# Allegro board hdk2_0-hmd-2-pvt-l8-0526p1530.brd (continued)
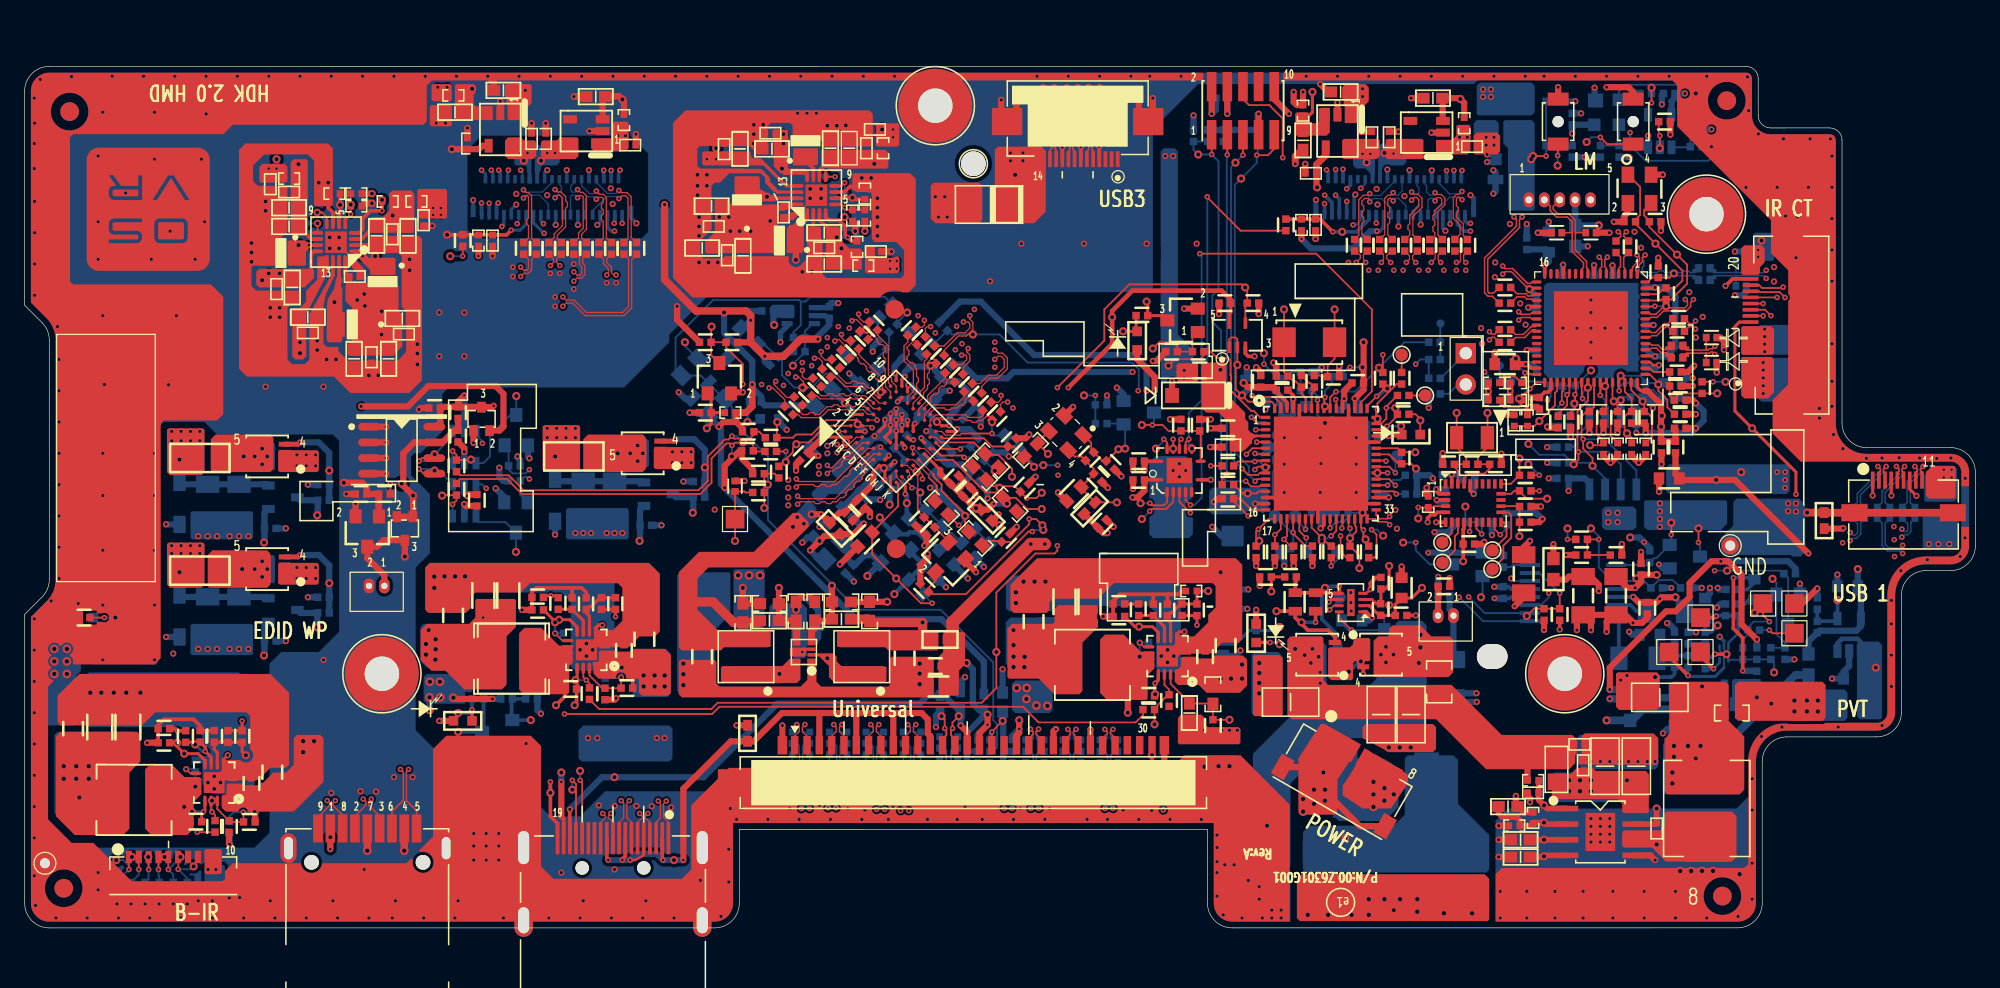
[diagram p0: board, top side]
## Routing (per net, layer and track width the routed paths; a pad name or vN(x,y) marks a point on that pad's centre or on a via; arc(x,y) is an arc through that point) (continued)
USB_SSRXM_UP_A: length 3
  TOP w0.127: J1.26 87.5,15.41 87.87,15.78 87.87,15.92 v2(87.67,16.12)
  BOTTOM w0.127: v2(87.67,16.12) 87.87,15.92 87.87,15.41 87.72,15.26 R617.1
USB_SSRXM_UP_B: length 67.2
  TOP w0.127: v2(31.16,12.87) 30.98,12.69 30.98,10.33 31.81,9.51 J4.5
  L6_IN3 w0.117: v2(87.28,12.87) 87.76,12.87 87.87,12.99 87.87,13.51 87.37,14.01 55.4,14.01 55.29,13.9 55.29,13.42 54.97,13.1 54.44,13.1 54.13,13.42 54.13,13.9 54.01,14.01 39.27,14.01 39.13,13.88 38.78,13.88 38.65,14.01 38.29,14.01 38.16,13.88 37.81,13.88 37.67,14.01 37.32,14.01 37.18,13.88 36.83,13.88 36.69,14.01 36.34,14.01 36.21,13.88 35.86,13.88 35.72,14.01 35.37,14.01 35.23,13.88 34.88,13.88 34.74,14.01 34.39,14.01 34.26,13.88 33.91,13.88 33.77,14.01 33.42,14.01 33.28,13.88 32.93,13.88 32.79,14.01 32.44,14.01 32.31,13.88 31.95,13.88 31.82,14.01 31.47,14.01 30.98,13.53 30.98,13.05 v2(31.16,12.87)
  BOTTOM w0.127: R634.1 v2(87.28,12.87)
USB_SSRXP_DN1: length 46.9
  TOP w0.127: U46.6 128.37,53.53 128.25,53.65 128.25,54.25 v2(128.45,54.45)
  L6_IN3 w0.117: v2(128.45,54.45) 128.27,54.64 128.27,54.81 128.42,54.96 129.25,54.96 131.34,52.88 135.63,52.88 140.38,48.13 140.38,40.05 144.18,36.25 144.18,33.53 147.11,30.6 152.21,30.6 v2(152.42,30.4)
  BOTTOM w0.127: v2(152.42,30.4) 152.21,30.6 151.18,30.6 150.75,31.03 150.75,32.86 R733.1
USB_SSRXP_DN1_R: length 5.4
  TOP w0.127: J101.5 151.99,36.95 152.12,37.08 152.12,37.25 v2(151.91,37.46)
  BOTTOM w0.127: R733.2 150.75,34.54 150.75,35.46 152.12,36.83 152.12,37.25 v2(151.91,37.46)
USB_SSRXP_DN3: length 55.5
  TOP w0.127: v2(121.26,50.01) 121.46,49.8 122.2,49.8 122.33,49.93 U46.22
  L6_IN3 w0.117: v2(121.26,50.01) 121.08,49.83 120.89,49.83 120.77,49.94 120.77,51.04 120.91,51.18 120.91,51.53 120.77,51.66 120.77,52.01 120.91,52.15 120.91,52.5 120.77,52.64 120.77,52.99 120.91,53.13 120.91,53.48 120.77,53.61 120.77,53.97 120.91,54.1 120.91,54.45 120.77,54.59 120.77,55.42 120.01,56.18 120.01,64.41 119.05,65.37 94.03,65.37 93.57,65.83 85.82,65.83 85.14,66.52 85.14,67.3 v2(85.32,67.48)
  BOTTOM w0.127: R739.1 85.11,66.74 85.11,67.28 v2(85.32,67.48)
USB_SSRXP_DN3_R: length 3.4
  TOP w0.127: J22.8 85.22,63.04 85.09,63.17 85.09,63.72 v2(85.29,63.92)
  BOTTOM w0.127: R739.2 85.11,65.17 85.11,64.1 v2(85.29,63.92)
USB_SSRXP_UP: length 99.8
  TOP w0.127: v2(135.44,51.01) 135.21,50.78 135.21,50.44 134.85,50.08 133.02,50.08 132.49,49.56 131.97,49.56 131.84,49.43 U46.58
  L6_IN3 w0.117: v2(88.34,9.7) 88.13,9.9 88.13,10.07 88.27,10.2 100.56,10.2 105.59,15.23 128.98,15.23 135.25,21.51 137.66,21.51 141.83,25.67 141.83,37.61 141.04,38.4 140.59,38.4 139.75,39.24 139.75,47.67 136.9,50.51 135.37,50.51 135.23,50.66 135.23,50.8 v2(135.44,51.01)
  BOTTOM w0.127: R618.2 88.46,14.34 88.13,14.01 88.13,9.9 v2(88.34,9.7)
USB_SSRXP_UP_A: length 3
  TOP w0.127: J1.27 88.5,15.42 88.12,15.79 88.12,15.92 v2(88.33,16.12)
  BOTTOM w0.127: R618.1 88.26,15.26 88.13,15.39 88.13,15.92 v2(88.33,16.12)
USB_SSRXP_UP_B: length 67.2
  TOP w0.127: v2(30.5,12.87) 30.73,12.64 30.73,10.36 29.81,9.44 J4.6
  L6_IN3 w0.117: v2(88.72,12.87) 88.24,12.87 88.13,12.99 88.13,13.61 87.47,14.27 55.3,14.27 55.03,14 55.03,13.53 54.86,13.36 54.55,13.36 54.38,13.53 54.38,14 54.12,14.27 31.36,14.27 30.73,13.64 30.73,13.1 v2(30.5,12.87)
  BOTTOM w0.127: R635.1 v2(88.72,12.87)
USB_SSTXM_DN1: length 1.9
  TOP w0.127: C612.2 129.52,54.45 129.52,53.68 129.37,53.53 U46.4
USB_SSTXM_DN3: length 2.4
  TOP w0.127: C609.2 121.12,51.22 121.74,51.22 121.92,51.05 122.35,51.05 122.46,50.93 U46.20
USB_SSTXM_UP: length 2.7
  TOP w0.127: C604.1 133.37,49.06 133.08,49.06 132.35,48.33 132.02,48.33 131.91,48.43 U46.56
USB_SSTXP_DN1: length 1.9
  TOP w0.127: U46.3 129.87,53.53 129.78,53.63 129.78,54.42 C614.2
USB_SSTXP_DN3: length 2.4
  TOP w0.127: U46.19 122.46,51.43 122.33,51.3 122.02,51.3 121.84,51.48 121.12,51.48 C610.2
USB_SSTXP_UP: length 2.7
  TOP w0.127: U46.55 131.91,47.93 132.05,48.08 132.46,48.08 133.18,48.8 133.4,48.8 C605.1
USB_SW_ENN: length 10.7
  TOP w0.152: v2(106.42,43.53) 105.95,43.06 U12.55
  BOTTOM w0.152: R553.1 111.99,47.54 v1(109.91,45.47) 107.97,43.53 v2(106.42,43.53)
USB_SW_OCN: length 41.2
  TOP w0.152: U12.27 106.45,32.23 v2(106.04,31.82)
  L4_IN2 w0.152: v2(118.49,45.13) 119,44.62 123.01,44.62 124.34,43.29 124.34,42.35 125.03,41.67 125.03,36.5 123.5,34.97 122.68,34.97 120.27,37.38 109.47,37.38 106.42,34.33 106.42,32.2 v2(106.04,31.82)
  BOTTOM w0.152: v2(118.49,45.13) 118.78,44.84 R554.1 ; v1(105.28,31.41) v2(106.04,31.82)
USBDN_DM1: length 8.5
  TOP w0.127: v2(130.86,54.62) 131.06,54.42 131.06,54.2 130.5,53.64 130.5,53.41 130.37,53.28 U46.2
  BOTTOM w0.127: R562.2 135.85,52.64 L22.4 135.55,52.95 131.39,52.95 131.04,53.3 131.04,54.45 v2(130.86,54.62)
USBDN_DM1_CON: length 38.1
  L6_IN3 w0.117: v2(141.35,52.72) 141.53,52.9 142.46,52.9 143.89,51.48 143.89,50.59 143.12,49.82 143.12,49.05 143.39,48.77 143.64,48.77 143.76,48.65 143.76,48.24 143.64,48.12 143.38,48.12 143.12,47.86 143.12,47.23 143.38,46.96 143.64,46.96 143.76,46.85 143.76,46.43 143.64,46.31 143.38,46.31 143.12,46.05 143.12,45.42 143.38,45.15 143.64,45.15 143.76,45.04 143.76,44.62 143.64,44.5 143.38,44.5 143.12,44.24 143.12,43.61 143.38,43.35 143.64,43.35 143.76,43.23 143.76,39.44 149.3,33.9 149.3,33.9 151.28,31.92 152.15,31.92 v2(152.35,31.72)
  BOTTOM w0.127: v2(152.35,31.72) 152.56,31.92 152.83,31.92 153.08,32.17 153.08,32.91 R730.1 ; 138.88,52.95 138.89,52.93 ESD19.1 ; 138.88,52.95 137.1,52.95 L22.3 136.79,52.64 R562.1 ; 138.88,52.95 141.13,52.95 v2(141.35,52.72)
USBDN_DM1_CON_R: length 5.1
  TOP w0.127: J101.9 153.99,37 153.87,37.12 153.87,37.25 v2(154.07,37.46)
  BOTTOM w0.127: v2(154.07,37.46) 153.87,37.25 153.87,36.95 153.03,36.11 153.03,34.54 R730.2
USBDN_DM2: length 8.7
  TOP w0.127: U46.10 126.37,53.48 126.51,53.62 126.51,53.99 125.6,54.91 125.6,56.43 ; 125.6,56.43 ESD16.1 ; 125.6,56.43 125.6,57.32 125.22,57.7 124.33,57.7 123.81,58.23 123.81,58.63 J10.2
USBDN_DM3: length 55.4
  TOP w0.127: v2(119.96,53.07) 120.16,53.27 120.66,53.27 121.86,52.06 122.2,52.06 122.33,51.93 U46.18
  L6_IN3 w0.117: v2(82.83,67.48) 83.03,67.28 83.03,66.64 84.98,64.69 88.21,64.69 88.36,64.53 88.36,64.07 88.71,63.72 89.21,63.72 89.56,64.07 89.56,64.5 89.75,64.69 90.02,64.69 90.21,64.5 90.21,64.01 90.55,63.67 91.03,63.67 91.37,64.01 91.37,64.5 91.56,64.69 91.83,64.69 92.02,64.5 92.02,64.11 92.29,63.85 115.79,63.85 118.51,61.13 118.51,53.81 119.02,53.31 119.72,53.31 v2(119.96,53.07)
  BOTTOM w0.127: v2(82.83,67.48) 83.03,67.28 83.03,66.74 R736.1
USBDN_DM3_R: length 3.6
  TOP w0.127: v2(83.16,63.98) 83.36,63.78 83.36,63.3 83.22,63.16 J22.12
  BOTTOM w0.127: R736.2 83.03,65.17 83.03,64.78 83.36,64.45 83.36,64.19 v2(83.16,63.98)
USBDN_DP1: length 8.5
  TOP w0.127: v2(131.52,54.62) 131.31,54.42 131.31,54.09 130.76,53.54 130.76,53.37 130.87,53.25 U46.1
  BOTTOM w0.127: R563.2 135.85,53.5 L22.1 135.55,53.2 135.17,53.2 135.04,53.33 134.66,53.33 134.53,53.2 134.15,53.2 134.03,53.33 133.64,53.33 133.52,53.2 133.14,53.2 133.01,53.33 132.63,53.33 132.5,53.2 131.5,53.2 131.29,53.41 131.29,53.61 131.42,53.74 131.42,54.12 131.29,54.25 131.29,54.4 v2(131.52,54.62)
USBDN_DP1_CON: length 38.1
  L6_IN3 w0.117: v2(152.35,32.38) 152.15,32.17 151.38,32.17 151.13,32.42 151.13,32.62 150.88,32.86 150.69,32.86 150.44,33.11 150.44,33.31 150.19,33.55 150,33.55 144.01,39.54 144.01,43.33 143.75,43.6 143.49,43.6 143.37,43.72 143.37,44.13 143.49,44.25 143.75,44.25 144.01,44.52 144.01,45.14 143.75,45.41 143.49,45.41 143.37,45.53 143.37,45.94 143.49,46.06 143.75,46.06 144.01,46.32 144.01,46.95 143.75,47.22 143.49,47.22 143.37,47.33 143.37,47.75 143.49,47.87 143.75,47.87 144.01,48.13 144.01,48.76 143.75,49.03 143.5,49.03 143.37,49.15 143.37,49.71 144.14,50.48 144.14,51.58 142.57,53.16 141.58,53.16 v2(141.35,53.38)
  BOTTOM w0.127: 138.89,53.2 137.1,53.2 L22.2 136.79,53.5 R563.1 ; 138.89,53.2 141.16,53.2 v2(141.35,53.38) ; 138.89,53.2 138.89,53.2 ESD20.1 ; v2(152.35,32.38) 152.56,32.17 152.73,32.17 152.83,32.28 152.83,32.81 R731.1
USBDN_DP1_CON_R: length 5.1
  TOP w0.127: v2(153.41,37.46) 153.62,37.25 153.62,37.13 153.49,37 J101.8
  BOTTOM w0.127: R731.2 152.78,34.54 152.78,36.22 153.62,37.06 153.62,37.25 v2(153.41,37.46)
USBDN_DP2: length 8.8
  TOP w0.127: 125.85,56.43 125.85,57.43 125.32,57.96 124.43,57.96 124.06,58.33 124.06,58.58 J10.3 ; 125.85,56.43 125.85,55.01 126.77,54.1 126.77,53.58 126.87,53.48 U46.9 ; 125.85,56.43 125.86,56.43 ESD17.1
USBDN_DP3: length 55.4
  TOP w0.127: v2(119.96,53.73) 120.16,53.52 120.76,53.52 121.97,52.32 122.21,52.32 122.33,52.43 U46.17
  L6_IN3 w0.117: v2(119.96,53.73) 119.8,53.56 119.12,53.56 118.77,53.92 118.77,54.47 118.9,54.61 118.9,54.96 118.77,55.09 118.77,55.44 118.9,55.58 118.9,55.93 118.77,56.07 118.77,56.42 118.9,56.56 118.9,56.91 118.77,57.04 118.77,57.39 118.9,57.53 118.9,57.88 118.77,58.02 118.77,61.24 115.9,64.1 92.39,64.1 92.27,64.22 92.27,64.6 91.94,64.94 91.45,64.94 91.12,64.6 91.12,64.12 90.93,63.92 90.66,63.92 90.47,64.12 90.47,64.6 90.13,64.94 89.65,64.94 89.31,64.6 89.31,64.18 89.1,63.98 88.82,63.98 88.62,64.18 88.62,64.64 88.31,64.94 85.09,64.94 83.28,66.74 83.28,67.28 v2(83.49,67.48)
  BOTTOM w0.127: v2(83.49,67.48) 83.28,67.28 83.28,66.74 R737.1
USBDN_DP3_R: length 3.6
  TOP w0.127: v2(83.82,63.98) 83.61,63.78 83.61,63.27 83.72,63.16 J22.11
  BOTTOM w0.127: v2(83.82,63.98) 83.61,64.19 83.61,64.56 83.28,64.89 83.28,65.17 R737.2
VCI_COM_L: length 9.7
  L6_IN3 w0.508: v2(42.16,56.38) 41.8,56.38 41.09,57.09 41.09,62.63 v2(40.81,62.91) v2(40.23,62.91)
  BOTTOM w0.254: J20.15 41.3,57.24 v2(42.16,56.38)
  vias: v1(40.51,62.27)
VCI_COM_R: length 7.1
  L6_IN3 w0.508: v2(109.7,57.22) 110.42,57.94 110.42,60.61 109.22,61.82 v2(109.22,62.83)
  BOTTOM w0.305: v2(109.7,57.22) J71.15
  vias: v1(108.91,62.15) v2(108.58,62.83)
VOUT_L: length 2.7
  BOTTOM w0.305: C161.2 130.83,25.7 130.31,26.21 U36.14
VOUT_R: length 3.2
  BOTTOM w0.305: U36.16 129.3,24.91 129.38,24.83 C174.2
VREF_DAC: length 6
  TOP w0.508: C26.2 130.07,27.6 v4(130.7,27.6) 131.19,28.09 C33.2 v1(132.46,28.66)
  BOTTOM w0.305: U36.12 130.62,27.52 v4(130.7,27.6)
XM_TCK: length 35.9
  TOP w0.152: U12.12 100.33,35.94 100.22,35.83 99.54,35.83 v2(99.11,36.26) ; v2(96.34,62.78) J6.1
  BOTTOM w0.152: R268.1 R269.2 94.87,63.16 v1(95.25,62.78) v2(96.34,62.78) 96.9,62.22 96.9,51.83 96.39,51.33 96.39,49.19 97.1,48.48 97.1,36.7 97.53,36.26 v2(99.11,36.26)
XM_TDI: length 32.7
  TOP w0.152: v2(99.87,36.26) 100.05,36.44 U12.11 ; J6.9 101.42,63.24 100.91,62.73 v2(100,62.73)
  BOTTOM w0.152: R265.1 100.07,62.81 v2(100,62.73) 100,62.1 v1(98.73,60.83) 98.22,60.32 98.22,38.6 99.36,37.46 99.36,36.77 v2(99.87,36.26)
XM_TMS: length 31.2
  TOP w0.152: U12.10 100.26,36.94 100.1,36.77 99.31,36.77 v2(98.8,37.28) ; v2(98.88,62.73) J6.5
  BOTTOM w0.152: R266.1 98.88,63.76 v2(98.88,62.73) v1(98.27,62.12) 97.91,61.77 97.91,38.17 v2(98.8,37.28)
N136794: length 1.6
  TOP w0.305: 63.37,62.29 64.01,61.65 U62.11
N136840: length 2.2
  TOP w0.305: 65.53,56.18 65.53,56.46 64.51,57.48 U62.3
  vias: v1(66.29,55.16)
N136988: length 4.9
  TOP w0.305: R839.2 67.1,55.75 v2(66.8,56.05) 66.6,56.25 66.6,56.94 66.09,57.45 65.27,57.45 65.01,57.71 U62.4
  BOTTOM w0.254: v1(65.91,56.05) v2(66.8,56.05)
N137150: length 1.1
  TOP w0.305: 64.89,61.89 64.51,61.51 U62.10
  vias: v1(68.96,62.02)
N137736: length 2.5
  TOP w0.254: v1(104.52,67.86) 104.52,66.21 104.19,65.88 R1162.1
N137822: length 3.6
  TOP w0.508: C806.2 104.85,60.17 v1(104.9,60.11)
  TOP w0.559: C806.2 104.85,61.97 105.6,62.72 U61.4
N137928: length 5
  TOP w0.508: R826.1 116.84,66.97 v1(116.52,67.29) 116.46,67.35 C811.2 115.08,67.34 115.08,65.54 U60.3
N138276: length 2.5
  TOP w0.305: R841.1 67.31,59.15 v1(67.18,59.28) 66.59,59.28 66.54,59.23 U62.6
N138350: length 3.4
  TOP w0.152: U62.5 66.29,58.73 v2(66.54,58.48) 66.73,58.29 R843.2 R842.2
  BOTTOM w0.152: v2(66.54,58.48) v1(66.54,57.7)
N138402: length 2.6
  TOP w0.305: 60.83,59.23 U62.15
  TOP w0.508: 60.83,59.23 60.37,59.23 v1(60.25,59.35)
N138754: length 2.5
  TOP w0.305: U62.1 63.51,57.71 63.24,57.45
  TOP w0.508: 62.59,56.05 v1(62.59,54.23)
N138940: length 1.5
  TOP w0.305: U52.11 v2(23.07,55.42)
  BOTTOM w0.305: v2(23.07,55.42) v1(22.23,55.42)
N138968: length 2.2
  TOP w0.305: C707.1 28.57,56.94 28.37,56.94 27.35,55.92 U52.3
  vias: v1(29.87,57.83)
N139032: length 5.1
  TOP w0.305: U52.4 27.16,56.42 27.43,56.69 27.43,57.57 28.06,58.21 v2(29,58.21) R712.2
  BOTTOM w0.254: v1(29,59.1) v2(29,58.21)
N139110: length 2
  TOP w0.305: C714.1 23.26,55.92 U52.10
  vias: v1(22.22,61.99)
N139598:
  vias: v1(36.32,68.12)
N139680: length 3.1
  TOP w0.508: v1(34.67,63.21) C725.2 36.88,63.21 37.16,63.49 U54.4
N139786: length 4.7
  TOP w0.508: U53.3 46.91,67.26 C722.2 47.15,67.51 48.26,67.51 v1(48.51,67.25) 48.64,67.13 R717.1
N140138: length 2.5
  TOP w0.305: R714.1 v1(25.6,58.69) 25.6,58.03 25.52,57.95 U52.6
N140212: length 3.4
  TOP w0.152: R715.2 R716.2 v2(26.46,57.93) 26.02,57.49 U52.5
  BOTTOM w0.152: v2(26.46,57.93) v1(26.46,58.72)
N140276: length 4.1
  TOP w0.305: 25.52,52.63 U52.15
  TOP w0.508: 25.03,50.08 25.52,52.63
  vias: v1(25.14,50.79)
N140628: length 1.8
  TOP w0.305: v2(27.43,54.53) 27.03,54.92 U52.1
  BOTTOM w0.508: v2(27.43,54.53) v1(28.44,54.53)
N16790246: length 6
  BOTTOM w0.305: v1(132.33,20.36) 133.65,20.36 133.91,20.62 R278.1 133.69,21.38 132.99,21.38 C174.1 132.48,23.55 R274.1
N16790248: length 2.1
  BOTTOM w0.305: C164.2 R278.2 R259.1
N16790251: length 4.3
  BOTTOM w0.305: C161.1 135.82,25.7 R248.1 R255.1 136.86,24.01 v1(137.41,24.55)
N16790253: length 4.3
  TOP w0.305: v2(137.18,22.22) v1(138.12,22.22)
  BOTTOM w0.305: v2(137.18,22.22) 136.94,21.98 R235.1 R255.2 C153.2
N16790343: length 4.6
  BOTTOM w0.152: U33.4 139.4,21.76 R237.1 R239.2 R247.1 141.98,21.54 v1(141.98,20.74)
N16790344: length 7.2
  BOTTOM w0.152: R247.2 C156.2 142.87,23.16 142.17,23.86 Q10.1 142.17,28.02 v1(141.86,28.34)
N16792332: length 6.9
  TOP w0.152: v2(133.64,31.92) v1(133.64,32.9)
  BOTTOM w0.152: U36.9 131.69,29.47 R759.2 132.24,30.02 132.43,30.02 Q26.3 133.64,31.22 v2(133.64,31.92)
N16818722: length 8.1
  BOTTOM w0.61: R461.1 133.79,18.67 C576.2 134.72,19.6 v1(136.14,19.6) 136.14,18.99 Q15.1 137.09,18.17 137.96,19.03 R462.1
N16818915: length 4.6
  BOTTOM w0.61: R462.2 138.87,19.83 Q15.2
  BOTTOM w0.635: R462.2 138.93,19.89 R463.2 v1(140.59,18.71)
N16827026: length 2.4
  BOTTOM w0.152: R520.1 115.57,43.35 116.33,44.11 J15.2
N16833899: length 2.8
  BOTTOM w0.381: U50.3 147.13,23.1 147.5,23.46 148.75,23.46 149.03,23.19
  vias: v1(150.24,21.13)
N16834343: length 4.2
  BOTTOM w0.305: v1(147.13,26.6) U50.4 146.91,24.9 R560.2 R561.1
N16857962: length 2.7
  TOP w0.254: C10.1 14.37,9.29 v2(14.51,9.42) 14.63,9.54 U4.13
  BOTTOM w0.254: v2(14.51,9.42) v1(13.59,9.42)
N16857969: length 2.7
  TOP w0.152: U4.14 15.11,10.3 15.11,9.52 v2(15.21,9.42) 15.45,9.17 R25.1
  BOTTOM w0.152: v2(15.21,9.42) 15.21,9.42 v1(15.21,10.33)
N16858052: length 3
  TOP w0.152: v4(13.11,12.89) 13.44,12.55 U4.9
  BOTTOM w0.152: v1(13.85,11.47) C157.1 13.63,12.89 v4(13.11,12.89)
N16858149: length 2.4
  TOP w0.305: C25.1 12.23,16.17 v2(12.39,16.01) R37.2
  BOTTOM w0.254: v2(12.39,16.01) v1(12.39,15.03)
N16863838: length 6.6
  TOP w0.152: v2(129.41,43.6) 129.37,43.64 U46.45
  BOTTOM w0.152: v1(132.88,41.57) R546.1 132.17,43.68 130.92,43.68 130.59,44.01 R529.1 129.79,44.24 129.41,43.86 v2(129.41,43.6)
N16865654: length 2.8
  TOP w0.152: U29.9 90.83,22.82 v4(90.5,23.15)
  BOTTOM w0.152: v1(90.5,22.01) v4(90.5,23.15) 90.51,23.16 C545.1
N16865918: length 2.8
  TOP w0.254: U29.13 92.01,20.11 v2(91.75,19.86) 91.7,19.81 C119.1
  BOTTOM w0.254: v1(91.75,18.97) v2(91.75,19.86)
N16865930: length 1.1
  TOP w0.254: C116.1 90.42,26.3 R193.2
N16871522: length 4.9
  BOTTOM w0.305: v1(97.06,28.87) R450.2 R453.1 97.06,24.11 Q7.1
N16871556: length 7.7
  BOTTOM w0.254: Q7.3 98.28,23.03 99.39,24.14 R440.2 101.56,24.14 v1(101.85,24.43)
N16871558: length 3.1
  TOP w0.254: LD8.2 v2(101.08,23.17)
  BOTTOM w0.254: v1(101.85,23.03) 101.71,23.17 v2(101.08,23.17) 101.05,23.2 R440.1
N16901302: length 12
  TOP w0.102: 73.96,37.99 73.03,38.92 U57.J6
  TOP w0.152: 73.96,37.99 75.33,37.99 77.97,35.35 78.99,35.35 R798.2 80.45,34.91 81.35,34 v1(82.55,34)
N16901304: length 3.1
  TOP w0.102: U57.J5 72.06,38.51 v2(72.06,38.98)
  BOTTOM w0.152: v1(72.39,37.03) 72.91,37.55 R799.2 72.91,38.14 v2(72.06,38.98)
N16901306: length 8.4
  TOP w0.102: 74.35,39.41 73.92,39.84 U57.J8
  TOP w0.152: v1(80.13,36.62) 80.13,37.28 79.02,38.4 78.05,38.4 R797.2 77.03,39.41 74.35,39.41
N16901407: length 3.3
  TOP w0.254: 72.11,40.3 72.11,40.81 v2(72.24,40.94)
  BOTTOM w0.508: v1(74.04,41.06) 73.32,41.79 R801.2 72.39,41.42 72.39,41.08 v2(72.24,40.94)
N16901409: length 3.4
  TOP w0.254: U57.J1 70.28,35.76 v2(70.38,35.65)
  BOTTOM w0.508: C751.2 70.82,35.65 v2(70.38,35.65) 70.2,35.48 v1(70.2,34.36)
N16901428: length 1.2
  TOP w0.254: U57.G6 71.88,39.62 v2(72.13,39.62)
  BOTTOM w0.381: R800.1 71.95,39.62 v2(72.13,39.62)
N16901470: length 3.5
  BOTTOM w0.152: R808.1 77.13,32.36 C764.1 79.12,32 v1(79.12,32.68)
N16901916: length 3.1
  TOP w0.254: U16.13 44.84,19.45 C60.1
  TOP w0.305: C60.1 44.79,18.23 v1(44.64,18.08)
N16901966: length 2.9
  TOP w0.152: v4(43.05,23.91) 43.64,23.32 U16.9
  BOTTOM w0.152: v1(43.05,24.81) v4(43.05,23.91) 43.06,23.92 C298.1
N16902023: length 2.7
  TOP w0.152: R107.1 45.84,19.86 v2(45.59,20.11) 45.34,20.36 U16.14
  BOTTOM w0.152: v2(45.59,20.11) v1(44.7,20.11)
N16908781: length 1.3
  TOP w0.254: R91.2 43.15,26.96 v2(42.71,26.96) 42.24,26.96 C57.1
N16911053: length 4.4
  BOTTOM w0.305: R323.1 R316.2 39.52,18.52 39.52,16.93 Q11.1 v1(41.08,16.87)
N16913522: length 2.9
  TOP w0.254: U57.G5 71.42,39.16 v2(71.42,38.98)
  BOTTOM w0.254: v2(71.42,38.98) 71.22,39.19 70.79,39.19 R802.1 71.37,38.14 TP60.1
N16919373: length 6.8
  TOP w0.152: v1(106.32,50.21) Y1.2 106.32,46.2 105.75,45.64 C32.2 105.28,44.75 105.19,44.84 R52.1
N16928774: length 3
  TOP w0.152: R86.1 98.84,35.27 v1(99.26,35.27) 100,35.27 100.16,35.44 U12.13
N16932325: length 2.9
  TOP w0.152: U12.23 104.45,32.49 v1(105.28,31.67) 105.95,30.99 R115.1
N16932965: length 2.6
  TOP w0.152: Y7.3 82.21,39.41 R804.2 v1(83.05,38.48)
N16937047: length 8.1
  TOP w0.152: v1(88.64,34.54) FB70.1 85.75,35.69 C758.2 86.76,36.82 C755.2 86.76,37.28 R806.1 85.77,38.27 85.2,38.27 Y7.4
N16938201: length 4.5
  TOP w0.152: v1(88.77,38.85) 87.81,37.89 R1002.1 87.48,37.89 R806.2 86.56,38.81 86.56,39.38 Y7.1
N16943119: length 6.2
  BOTTOM w0.381: C754.1 74.24,30.7 R807.1 71.81,32.11 71.66,31.95 70.62,31.95 Q28.1 69.41,33.15 v1(69.41,33.32)
N16943546: length 5
  BOTTOM w0.381: v1(70.58,27.09) C756.1 71.75,28.27 R805.1 72.46,29.96 72.45,29.96 72.13,30.28 72.13,30.44 Q28.2
N16943723: length 6.5
  BOTTOM w0.508: FB69.2 66.77,30.95 66.77,29.94 C752.2 67.38,29.46 68.17,30.25 68.84,30.25 Q28.3 v1(68.4,28.57)
N16949130: length 2.9
  BOTTOM w0.152: LD16.1 59.44,41.06 v1(58.67,41.06) 58.67,42.55 R781.1
N16953061: length 1.2
  BOTTOM w0.508: R770.2 60.77,49 v1(60.83,48.94)
N16969742: length 8.1
  TOP w0.152: SW1.1 128.44,63.62 v2(127.89,64.18)
  BOTTOM w0.152: U7.3 129.39,64.45 129.41,64.43 C20.1 R254.1 v2(127.89,64.18) 127.15,64.18 v1(126.77,63.8)
N16977152: length 3.7
  TOP w0.152: v2(124.42,62.69) 124.46,62.73 SW2.1
  BOTTOM w0.152: v1(124.42,61.88) v2(124.42,62.69) R536.1 124.43,63.51 R313.1
N16991460: length 4.2
  BOTTOM w0.152: v1(62.35,45.64) 62.35,45.76 63.33,46.74 R1150.1 R1149.1 63.33,48.44 63.94,49.05 Q29.6
N16996688: length 4.8
  TOP w0.152: v1(91.7,16.53) R202.1 91.7,17.84 92.58,18.71 92.67,18.71 R206.1 92.88,19.35 92.51,19.72 U29.14
N16997021: length 4.6
  TOP w0.152: U12.30 107.95,32.68 108.07,32.56 108.07,32.17 107.57,31.67 R112.1 107.57,30.99 108.33,30.22 v1(108.33,29.2)
N16997723: length 3.3
  TOP w0.152: U12.31 108.45,32.51 v2(108.66,32.3) 108.66,31.43 R113.1
  BOTTOM w0.152: v1(108.83,31.54) 108.66,31.72 v2(108.66,32.3)
N17002457: length 3.8
  TOP w0.152: U12.8 99.92,37.94 v2(99.84,37.86) 98.48,37.86 R75.2
  BOTTOM w0.152: v1(100.71,37.38) 100.23,37.86 v2(99.84,37.86)
N17003240: length 3.6
  TOP w0.152: U12.49 108.95,42.38 v2(109.72,43.15) 110.23,43.66 R62.1
  BOTTOM w0.152: v2(109.72,43.15) 109.95,43.15 v1(110.59,43.78)
N17003241: length 4.6
  TOP w0.152: U12.48 109.69,41.97 v2(109.79,42.07) 109.79,42.58 111.36,44.15 R66.1
  BOTTOM w0.152: v2(109.79,42.07) 109.8,42.06 v1(109.8,41.32)
N17003262: length 4
  TOP w0.152: U12.47 110.1,40.94 110.51,41.34 v2(110.51,42.21) 110.51,42.32 R67.1
  BOTTOM w0.152: v2(110.51,42.21) v1(111.25,42.21)
N17015781: length 2.2
  TOP w0.152: v2(99.86,38.51) 99.93,38.44 U12.7
  BOTTOM w0.152: TP59.1 100.44,38.51 v2(99.86,38.51)
N17020835: length 2.3
  TOP w0.152: LD11.2 v1(113.27,41.19) 113.27,41.32 112.89,41.7 R455.1
N17020851: length 3.5
  TOP w0.152: U12.46 110.28,40.44 v2(110.57,40.73) 111.41,41.57 R455.2
  BOTTOM w0.152: v2(110.57,40.73) v1(111.71,40.73)
N17035769: length 3
  TOP w0.152: U41.15 120.02,32.93 120.27,32.68 120.27,31.79 TP12.1
N17035770: length 5.9
  TOP w0.152: TP13.1 120.01,30.02 120.01,31.03 120.65,31.67 120.65,33.5 120.41,33.74 U41.16
N17035980: length 2
  TOP w0.152: U41.7 115.82,32.05 TP10.1
N17035997: length 3.8
  TOP w0.152: U41.8 116.32,32.04 116.07,31.79 116.07,30.65 TP11.1
N17061375: length 3.1
  TOP w0.152: U12.40 110.76,37.44 v2(111.25,36.95)
  BOTTOM w0.152: TP17.1 111.25,38.14 v2(111.25,36.95)
N17062682: length 3.3
  TOP w0.152: U12.43 111.43,38.94 R559.2 v1(112.86,38.61)
N17062685: length 3.7
  TOP w0.152: v1(112.92,37.28) 112.53,37.67 R559.1 111.5,37.67 110.74,38.44 U12.42
N17087579: length 3.1
  TOP w0.152: v2(132.04,66.97) v1(132.04,68.2)
  BOTTOM w0.152: R1001.2 v2(132.04,66.97) 131.76,66.7 U35.4
N17107039: length 9.2
  BOTTOM w0.508: Q35.2 19.68,26.87 C1014.2 C1013.2 12.72,26.87 D14.2 v1(12.57,28.87)
N17107175: length 2.9
  BOTTOM w0.508: v1(23.75,24.4) 23.75,25.53 R1099.1 22.37,25.57 Q35.3
N17107353: length 7.9
  TOP w0.406: Q36.4 22.2,30.12 v2(22.35,30.27)
  BOTTOM w0.508: R1099.2 R1101.1 v1(24.72,27.98) 24.72,29.42 23.87,30.27 v2(22.35,30.27)
N17107729: length 2.9
  BOTTOM w0.508: v1(19.43,22.12) 19.47,22.31 R1097.2 19.47,24.54 Q35.1
N17108159: length 1
  BOTTOM w0.508: v3(18.67,29.13) v1(17.65,29.13)
  vias: v3(19.28,29.76) v3(19.28,28.49) v3(19.69,29.13)
N17109329: length 9.2
  BOTTOM w0.508: Q37.2 19.68,36.01 C1016.2 C1015.2 12.72,36.01 D15.2 v1(12.57,38.02)
N17109348: length 3
  BOTTOM w0.508: Q37.3 22.37,34.71 R1104.1 23.78,33.74 v1(23.75,33.5)
N17109368: length 7.9
  TOP w0.406: Q38.4 22.2,39.26 v2(22.35,39.41)
  BOTTOM w0.508: v2(22.35,39.41) 23.87,39.41 24.72,38.56 v1(24.72,37.13) R1105.1 R1104.2
N17109397: length 2.9
  BOTTOM w0.508: Q37.1 19.47,33.69 R1103.2 19.47,31.45 v1(19.43,31.29)
N17109419: length 0.9
  BOTTOM w0.508: v3(18.67,38.27) v1(17.78,38.27)
  vias: v3(19.28,38.91) v3(19.28,37.64) v3(19.69,38.27)
N17109926: length 9.2
  BOTTOM w0.508: v1(43.05,38.27) D13.2 43.2,36.26 C1012.2 C1011.2 50.16,36.26 Q33.2
N17109945: length 3
  BOTTOM w0.508: Q33.3 52.85,34.97 R1098.1 54.26,33.99 v1(54.23,33.7)
N17109956: length 7.9
  TOP w0.406: Q34.4 52.68,39.52 v2(52.83,39.67)
  BOTTOM w0.508: v2(52.83,39.67) 54.35,39.67 55.2,38.82 v1(55.2,37.38) R1100.1 R1098.2
N17109984: length 3
  BOTTOM w0.508: Q33.1 49.95,33.94 R1096.2 49.95,31.7 v1(49.91,31.41)
N17110016: length 1
  BOTTOM w0.508: v3(49.15,38.52) v1(48.13,38.52)
  vias: v3(49.76,39.16) v3(49.76,37.89) v3(50.17,38.52)
N17126690: length 1.3
  TOP w0.152: TP101.1 R67.2
N17126693: length 1.4
  TOP w0.152: R66.2 TP102.1
N17152263: length 3.1
  TOP w0.457: C656.1 123.26,5.76 v1(123.31,5.81) 123.39,5.89 U51.4
N17152276: length 3
  TOP w0.457: C653.1 v1(123.31,7.16) U51.3
N17152282: length 3.1
  TOP w0.457: v1(132.46,9.7) C652.1 132.36,8.43 130.58,8.43
N17152292:
  vias: v1(130.04,11.98) v5(125.35,11.98) v5(125.35,11.09) v5(126.23,11.98) v5(126.23,11.09) v5(127.12,11.98) v5(127.12,11.09)
N17152305: length 6.9
  TOP w0.457: C650.2 119.62,9.33 119.95,9 121.09,9 121.36,8.73 R566.1 122.25,8.3 R565.2 122.5,8.55 v1(123.31,8.55) 123.44,8.43 125.19,8.43
N17152342: length 4.2
  TOP w0.457: U51.1 123.57,9.7 v1(123.31,9.95) 122.88,10.38 C651.1 R564.2
N17152358:
  vias: v1(132.46,6.77)
N17152389: length 16
  TOP w0.508: R565.1 121.66,9.39 121.21,9.85 C650.1 121.03,9.99 v4(121.03,10.71)
  L4_IN2 w0.508: v4(121.03,10.71) 121.15,10.84 123.44,10.84 124.08,10.2 132.2,10.2 v5(133.73,11.73)
  vias: v1(135.63,13.76) v5(133.73,12.62) v5(133.85,14.78) v5(133.85,13.89) v5(135,14.78) v5(136.01,14.78)
N17169673: length 2.3
  TOP w0.254: R511.2 C603.2 v1(101.18,27.31)
N17169675: length 2.2
  TOP w0.152: U45.7 106.25,26.16 v2(105.91,25.82)
  BOTTOM w0.152: TP18.1 106.73,26.64 v2(105.91,25.82)
N17194923:
  vias: v1(62.61,25.82) v2(63.12,22.4)
N17195011: length 4.1
  TOP w0.508: R850.1 62.59,24.94 C836.2 R849.2 61.22,27.59 v1(61.21,27.6)
N17195046:
  vias: v1(61.26,20.62)
N17195147: